# Altium PCB 24V-12V_5X4.PcbDoc (part 4 of 4)
Units mm, origin at the board's own origin, x right, y up, seen from the top; angles counter-clockwise.
Board outline 50.6 x 38 mm, 2 copper layers (Top Layer, Bottom Layer); 700 components, 0 nets, 2336 pads, 480 vias.
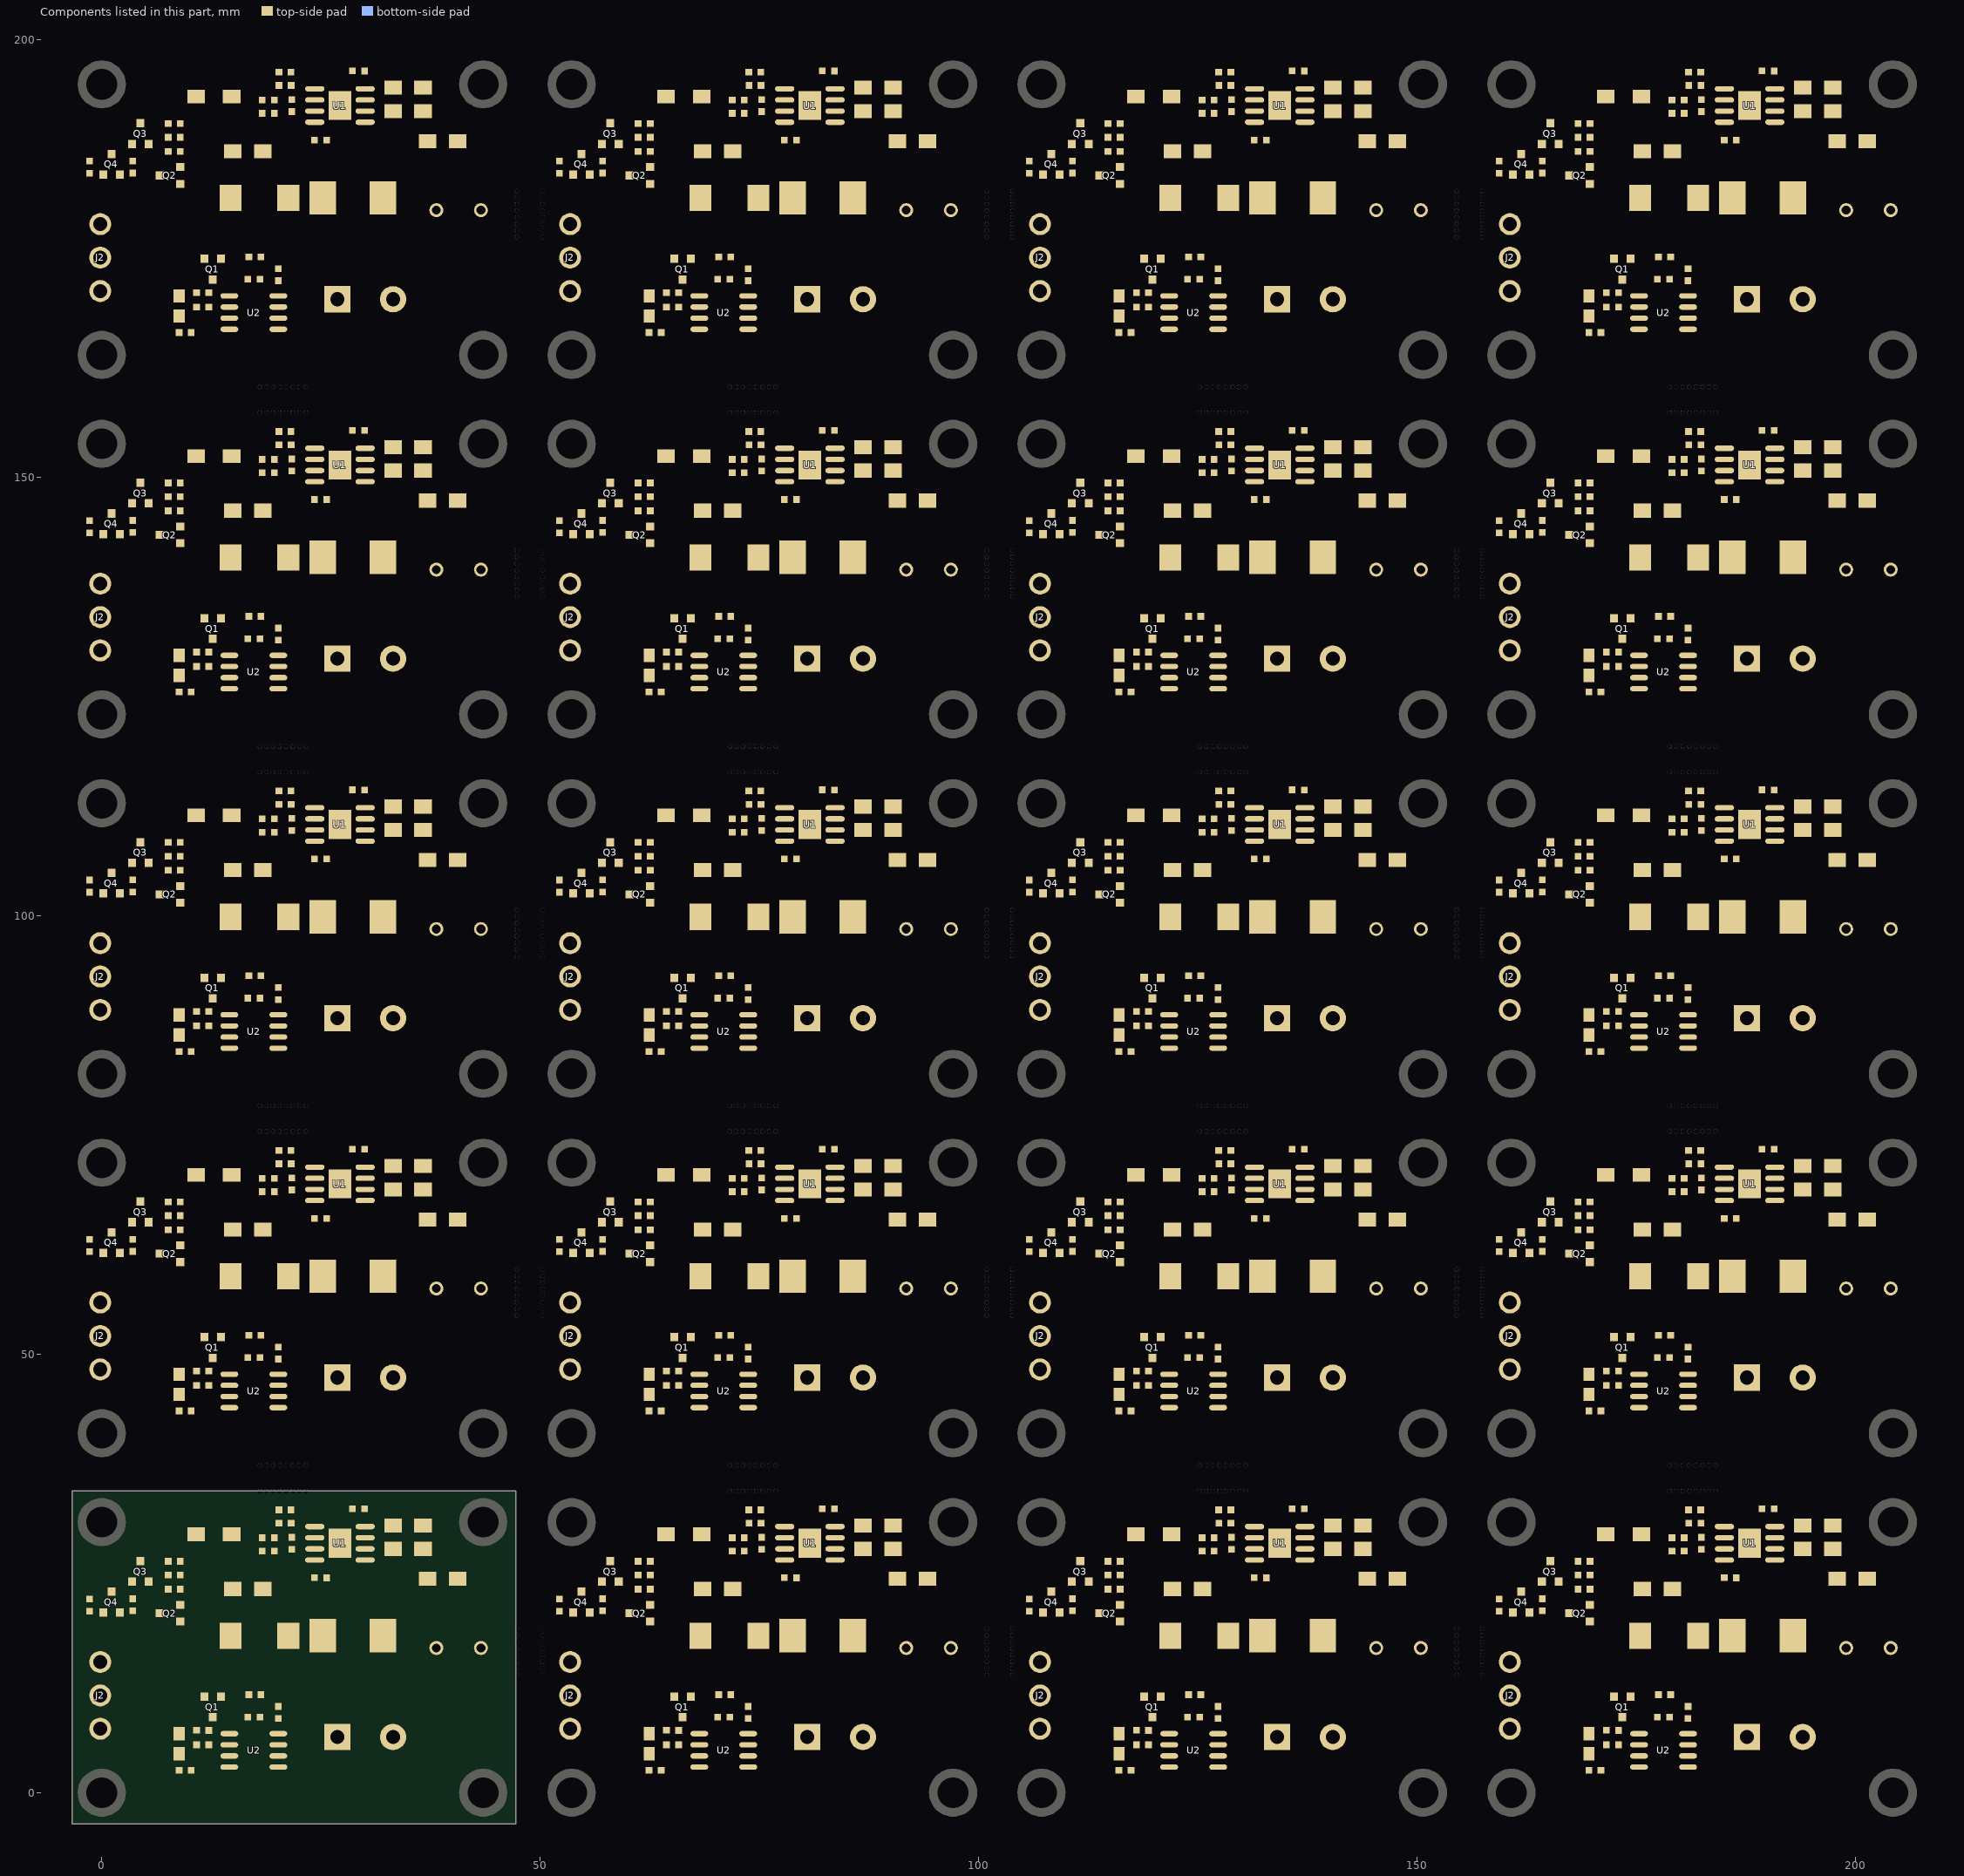
[diagram p4: the components of this part, seen from the top]

## Via types
v1: diameter 0.5, hole 0.3, Top Layer to Bottom Layer, tented both sides, 360 vias
v2: diameter 1.2, hole 1, Top Layer to Bottom Layer, tented both sides, 100 vias
v3: diameter 1.7, hole 1.5, Top Layer to Bottom Layer, tented both sides, 20 vias

## Nets (pads, with @x,y where several pads share a name; then routed paths per layer and width w, separated by ;. In a path a pad name is that pad's centre, name@x,y a point inside that pad or via, vN(x,y) a via of type N, cw(c..) or ccw(c..) an arc to the next point about the centre after c; other vN are vias at no path point) (continued)
copper on no net: (continued)
  other v1: 30.302,21.971 83.902,21.971 137.502,21.971 191.102,21.971 22.682,23.368 76.282,23.368 129.882,23.368 183.482,23.368 21.031,25.273 74.631,25.273 128.231,25.273 181.831,25.273 18.11,25.4 71.71,25.4 125.31,25.4 178.91,25.4 26.248,27.243 27.148,27.243 28.048,27.243 79.848,27.243 80.748,27.243 81.648,27.243 133.448,27.243 134.348,27.243 135.248,27.243 187.048,27.243 187.948,27.243 188.848,27.243 26.248,28.043 27.148,28.043 28.048,28.043 79.848,28.043 80.748,28.043 81.648,28.043 133.448,28.043 134.348,28.043 135.248,28.043 187.048,28.043 187.948,28.043 188.848,28.043 26.248,28.843 27.148,28.843 28.048,28.843 79.848,28.843 80.748,28.843 81.648,28.843 133.448,28.843 134.348,28.843 135.248,28.843 187.048,28.843 187.948,28.843 188.848,28.843 26.248,29.643 27.148,29.643 28.048,29.643 79.848,29.643 80.748,29.643 81.648,29.643 133.448,29.643 134.348,29.643 135.248,29.643 187.048,29.643 187.948,29.643 188.848,29.643 30.302,62.971 83.902,62.971 137.502,62.971 191.102,62.971 22.682,64.368 76.282,64.368 129.882,64.368 183.482,64.368 21.031,66.273 74.631,66.273 128.231,66.273 181.831,66.273 18.11,66.4 71.71,66.4 125.31,66.4 178.91,66.4 26.248,68.243 27.148,68.243 28.048,68.243 79.848,68.243 80.748,68.243 81.648,68.243 133.448,68.243 134.348,68.243 135.248,68.243 187.048,68.243 187.948,68.243 188.848,68.243 26.248,69.043 27.148,69.043 28.048,69.043 79.848,69.043 80.748,69.043 81.648,69.043 133.448,69.043 134.348,69.043 135.248,69.043 187.048,69.043 187.948,69.043 188.848,69.043 26.248,69.843 27.148,69.843 28.048,69.843 79.848,69.843 80.748,69.843 81.648,69.843 133.448,69.843 134.348,69.843 135.248,69.843 187.048,69.843 187.948,69.843 188.848,69.843 26.248,70.643 27.148,70.643 28.048,70.643 79.848,70.643 80.748,70.643 81.648,70.643 133.448,70.643 134.348,70.643 135.248,70.643 187.048,70.643 187.948,70.643 188.848,70.643 30.302,103.971 83.902,103.971 137.502,103.971 191.102,103.971 22.682,105.368 76.282,105.368 129.882,105.368 183.482,105.368 21.031,107.273 74.631,107.273 128.231,107.273 181.831,107.273 18.11,107.4 71.71,107.4 125.31,107.4 178.91,107.4 26.248,109.243 27.148,109.243 28.048,109.243 79.848,109.243 80.748,109.243 81.648,109.243 133.448,109.243 134.348,109.243 135.248,109.243 187.048,109.243 187.948,109.243 188.848,109.243 26.248,110.043 27.148,110.043 28.048,110.043 79.848,110.043 80.748,110.043 81.648,110.043 133.448,110.043 134.348,110.043 135.248,110.043 187.048,110.043 187.948,110.043 188.848,110.043 26.248,110.843 27.148,110.843 28.048,110.843 79.848,110.843 80.748,110.843 81.648,110.843 133.448,110.843 134.348,110.843 135.248,110.843 187.048,110.843 187.948,110.843 188.848,110.843 26.248,111.643 27.148,111.643 28.048,111.643 79.848,111.643 80.748,111.643 81.648,111.643 133.448,111.643 134.348,111.643 135.248,111.643 187.048,111.643 187.948,111.643 188.848,111.643 30.302,144.971 83.902,144.971 137.502,144.971 191.102,144.971 22.682,146.368 76.282,146.368 129.882,146.368 183.482,146.368 21.031,148.273 74.631,148.273 128.231,148.273 181.831,148.273 18.11,148.4 71.71,148.4 125.31,148.4 178.91,148.4 26.248,150.243 27.148,150.243 28.048,150.243 79.848,150.243 80.748,150.243 81.648,150.243 133.448,150.243 134.348,150.243 135.248,150.243 187.048,150.243 187.948,150.243 188.848,150.243 26.248,151.043 27.148,151.043 28.048,151.043 79.848,151.043 80.748,151.043 81.648,151.043 133.448,151.043 134.348,151.043 135.248,151.043 187.048,151.043 187.948,151.043 188.848,151.043 26.248,151.843 27.148,151.843 28.048,151.843 79.848,151.843 80.748,151.843 81.648,151.843 133.448,151.843 134.348,151.843 135.248,151.843 187.048,151.843 187.948,151.843 188.848,151.843 26.248,152.643 27.148,152.643 28.048,152.643 79.848,152.643 80.748,152.643 81.648,152.643 133.448,152.643 134.348,152.643 135.248,152.643 187.048,152.643 187.948,152.643 188.848,152.643 30.302,185.971 83.902,185.971 137.502,185.971 191.102,185.971 22.682,187.368 76.282,187.368 129.882,187.368 183.482,187.368 21.031,189.273 74.631,189.273 128.231,189.273 181.831,189.273 18.11,189.4 71.71,189.4 125.31,189.4 178.91,189.4 26.248,191.243 27.148,191.243 28.048,191.243 79.848,191.243 80.748,191.243 81.648,191.243 133.448,191.243 134.348,191.243 135.248,191.243 187.048,191.243 187.948,191.243 188.848,191.243 26.248,192.043 27.148,192.043 28.048,192.043 79.848,192.043 80.748,192.043 81.648,192.043 133.448,192.043 134.348,192.043 135.248,192.043 187.048,192.043 187.948,192.043 188.848,192.043 26.248,192.843 27.148,192.843 28.048,192.843 79.848,192.843 80.748,192.843 81.648,192.843 133.448,192.843 134.348,192.843 135.248,192.843 187.048,192.843 187.948,192.843 188.848,192.843 26.248,193.643 27.148,193.643 28.048,193.643 79.848,193.643 80.748,193.643 81.648,193.643 133.448,193.643 134.348,193.643 135.248,193.643 187.048,193.643 187.948,193.643 188.848,193.643

## Polygon pours and split planes (outlines as drawn)
no net on Top Layer "GND" (solid, remove dead copper, pour order 4): -3.353,34.417 47.247,34.417 47.247,-3.583 -3.353,-3.583
no net on Top Layer "GND" (solid, remove dead copper, pour order 4): 50.247,34.417 100.847,34.417 100.847,-3.583 50.247,-3.583
no net on Top Layer "GND" (solid, remove dead copper, pour order 4): 103.847,34.417 154.447,34.417 154.447,-3.583 103.847,-3.583
no net on Top Layer "GND" (solid, remove dead copper, pour order 4): 157.447,34.417 208.047,34.417 208.047,-3.583 157.447,-3.583
no net on Top Layer "GND" (solid, remove dead copper, pour order 4): -3.353,75.417 47.247,75.417 47.247,37.417 -3.353,37.417
no net on Top Layer "GND" (solid, remove dead copper, pour order 4): 50.247,75.417 100.847,75.417 100.847,37.417 50.247,37.417
no net on Top Layer "GND" (solid, remove dead copper, pour order 4): 103.847,75.417 154.447,75.417 154.447,37.417 103.847,37.417
no net on Top Layer "GND" (solid, remove dead copper, pour order 4): 157.447,75.417 208.047,75.417 208.047,37.417 157.447,37.417
no net on Top Layer "GND" (solid, remove dead copper, pour order 4): -3.353,116.417 47.247,116.417 47.247,78.417 -3.353,78.417
no net on Top Layer "GND" (solid, remove dead copper, pour order 4): 50.247,116.417 100.847,116.417 100.847,78.417 50.247,78.417
no net on Top Layer "GND" (solid, remove dead copper, pour order 4): 103.847,116.417 154.447,116.417 154.447,78.417 103.847,78.417
no net on Top Layer "GND" (solid, remove dead copper, pour order 4): 157.447,116.417 208.047,116.417 208.047,78.417 157.447,78.417
no net on Top Layer "GND" (solid, remove dead copper, pour order 4): -3.353,157.417 47.247,157.417 47.247,119.417 -3.353,119.417
no net on Top Layer "GND" (solid, remove dead copper, pour order 4): 50.247,157.417 100.847,157.417 100.847,119.417 50.247,119.417
no net on Top Layer "GND" (solid, remove dead copper, pour order 4): 103.847,157.417 154.447,157.417 154.447,119.417 103.847,119.417
no net on Top Layer "GND" (solid, remove dead copper, pour order 4): 157.447,157.417 208.047,157.417 208.047,119.417 157.447,119.417
no net on Top Layer "GND" (solid, remove dead copper, pour order 4): -3.353,198.417 47.247,198.417 47.247,160.417 -3.353,160.417
no net on Top Layer "GND" (solid, remove dead copper, pour order 4): 50.247,198.417 100.847,198.417 100.847,160.417 50.247,160.417
no net on Top Layer "GND" (solid, remove dead copper, pour order 4): 103.847,198.417 154.447,198.417 154.447,160.417 103.847,160.417
no net on Top Layer "GND" (solid, remove dead copper, pour order 4): 157.447,198.417 208.047,198.417 208.047,160.417 157.447,160.417
no net on Bottom Layer "GND" (solid, remove dead copper, pour order 3): -3.353,34.417 47.247,34.417 47.247,-3.583 -3.353,-3.583
no net on Bottom Layer "GND" (solid, remove dead copper, pour order 3): 50.247,34.417 100.847,34.417 100.847,-3.583 50.247,-3.583
no net on Bottom Layer "GND" (solid, remove dead copper, pour order 3): 103.847,34.417 154.447,34.417 154.447,-3.583 103.847,-3.583
no net on Bottom Layer "GND" (solid, remove dead copper, pour order 3): 157.447,34.417 208.047,34.417 208.047,-3.583 157.447,-3.583
no net on Bottom Layer "GND" (solid, remove dead copper, pour order 3): -3.353,75.417 47.247,75.417 47.247,37.417 -3.353,37.417
no net on Bottom Layer "GND" (solid, remove dead copper, pour order 3): 50.247,75.417 100.847,75.417 100.847,37.417 50.247,37.417
no net on Bottom Layer "GND" (solid, remove dead copper, pour order 3): 103.847,75.417 154.447,75.417 154.447,37.417 103.847,37.417
no net on Bottom Layer "GND" (solid, remove dead copper, pour order 3): 157.447,75.417 208.047,75.417 208.047,37.417 157.447,37.417
no net on Bottom Layer "GND" (solid, remove dead copper, pour order 3): -3.353,116.417 47.247,116.417 47.247,78.417 -3.353,78.417
no net on Bottom Layer "GND" (solid, remove dead copper, pour order 3): 50.247,116.417 100.847,116.417 100.847,78.417 50.247,78.417
no net on Bottom Layer "GND" (solid, remove dead copper, pour order 3): 103.847,116.417 154.447,116.417 154.447,78.417 103.847,78.417
no net on Bottom Layer "GND" (solid, remove dead copper, pour order 3): 157.447,116.417 208.047,116.417 208.047,78.417 157.447,78.417
no net on Bottom Layer "GND" (solid, remove dead copper, pour order 3): -3.353,157.417 47.247,157.417 47.247,119.417 -3.353,119.417
no net on Bottom Layer "GND" (solid, remove dead copper, pour order 3): 50.247,157.417 100.847,157.417 100.847,119.417 50.247,119.417
no net on Bottom Layer "GND" (solid, remove dead copper, pour order 3): 103.847,157.417 154.447,157.417 154.447,119.417 103.847,119.417
no net on Bottom Layer "GND" (solid, remove dead copper, pour order 3): 157.447,157.417 208.047,157.417 208.047,119.417 157.447,119.417
no net on Bottom Layer "GND" (solid, remove dead copper, pour order 3): -3.353,198.417 47.247,198.417 47.247,160.417 -3.353,160.417
no net on Bottom Layer "GND" (solid, remove dead copper, pour order 3): 50.247,198.417 100.847,198.417 100.847,160.417 50.247,160.417
no net on Bottom Layer "GND" (solid, remove dead copper, pour order 3): 103.847,198.417 154.447,198.417 154.447,160.417 103.847,160.417
no net on Bottom Layer "GND" (solid, remove dead copper, pour order 3): 157.447,198.417 208.047,198.417 208.047,160.417 157.447,160.417

## Keep-outs
Keep-Out Layer:
  lines w0.254: 17.696,34.421 17.696,37.421 ; 17.696,75.421 17.696,78.421 ; 17.696,116.421 17.696,119.421 ; 17.696,157.421 17.696,160.421 ; 23.665,34.421 23.665,37.421 ; 23.665,75.421 23.665,78.421 ; 23.665,116.421 23.665,119.421 ; 23.665,157.421 23.665,160.421 ; 47.267,13.099 50.267,13.099 ; 47.267,19.068 50.267,19.068 ; 47.267,54.099 50.267,54.099 ; 47.267,60.068 50.267,60.068 ; 47.267,95.099 50.267,95.099 ; 47.267,101.068 50.267,101.068 ; 47.267,136.099 50.267,136.099 ; 47.267,142.068 50.267,142.068 ; 47.267,177.099 50.267,177.099 ; 47.267,183.068 50.267,183.068 ; 71.296,34.421 71.296,37.421 ; 71.296,75.421 71.296,78.421 ; 71.296,116.421 71.296,119.421 ; 71.296,157.421 71.296,160.421 ; 77.265,34.421 77.265,37.421 ; 77.265,75.421 77.265,78.421 ; 77.265,116.421 77.265,119.421 ; 77.265,157.421 77.265,160.421 ; 100.867,13.099 103.867,13.099 ; 100.867,19.068 103.867,19.068 ; 100.867,54.099 103.867,54.099 ; 100.867,60.068 103.867,60.068 ; 100.867,95.099 103.867,95.099 ; 100.867,101.068 103.867,101.068 ; 100.867,136.099 103.867,136.099 ; 100.867,142.068 103.867,142.068 ; 100.867,177.099 103.867,177.099 ; 100.867,183.068 103.867,183.068 ; 124.896,34.421 124.896,37.421 ; 124.896,75.421 124.896,78.421 ; 124.896,116.421 124.896,119.421 ; 124.896,157.421 124.896,160.421 ; 130.865,34.421 130.865,37.421 ; 130.865,75.421 130.865,78.421 ; 130.865,116.421 130.865,119.421 ; 130.865,157.421 130.865,160.421 ; 154.467,13.099 157.467,13.099 ; 154.467,19.068 157.467,19.068 ; 154.467,54.099 157.467,54.099 ; 154.467,60.068 157.467,60.068 ; 154.467,95.099 157.467,95.099 ; 154.467,101.068 157.467,101.068 ; 154.467,136.099 157.467,136.099 ; 154.467,142.068 157.467,142.068 ; 154.467,177.099 157.467,177.099 ; 154.467,183.068 157.467,183.068 ; 178.496,34.421 178.496,37.421 ; 178.496,75.421 178.496,78.421 ; 178.496,116.421 178.496,119.421 ; 178.496,157.421 178.496,160.421 ; 184.465,34.421 184.465,37.421 ; 184.465,75.421 184.465,78.421 ; 184.465,116.421 184.465,119.421 ; 184.465,157.421 184.465,160.421 ; -3.353,-3.583 -3.353,34.417 47.247,34.417 47.247,-3.583 -3.353,-3.583 ; -3.353,37.417 -3.353,75.417 47.247,75.417 47.247,37.417 -3.353,37.417 ; -3.353,78.417 -3.353,116.417 47.247,116.417 47.247,78.417 -3.353,78.417 ; -3.353,119.417 -3.353,157.417 47.247,157.417 47.247,119.417 -3.353,119.417 ; -3.353,160.417 -3.353,198.417 47.247,198.417 47.247,160.417 -3.353,160.417 ; 50.247,-3.583 50.247,34.417 100.847,34.417 100.847,-3.583 50.247,-3.583 ; 50.247,37.417 50.247,75.417 100.847,75.417 100.847,37.417 50.247,37.417 ; 50.247,78.417 50.247,116.417 100.847,116.417 100.847,78.417 50.247,78.417 ; 50.247,119.417 50.247,157.417 100.847,157.417 100.847,119.417 50.247,119.417 ; 50.247,160.417 50.247,198.417 100.847,198.417 100.847,160.417 50.247,160.417 ; 103.847,-3.583 103.847,34.417 154.447,34.417 154.447,-3.583 103.847,-3.583 ; 103.847,37.417 103.847,75.417 154.447,75.417 154.447,37.417 103.847,37.417 ; 103.847,78.417 103.847,116.417 154.447,116.417 154.447,78.417 103.847,78.417 ; 103.847,119.417 103.847,157.417 154.447,157.417 154.447,119.417 103.847,119.417 ; 103.847,160.417 103.847,198.417 154.447,198.417 154.447,160.417 103.847,160.417 ; 157.447,-3.583 157.447,34.417 208.047,34.417 208.047,-3.583 157.447,-3.583 ; 157.447,37.417 157.447,75.417 208.047,75.417 208.047,37.417 157.447,37.417 ; 157.447,78.417 157.447,116.417 208.047,116.417 208.047,78.417 157.447,78.417 ; 157.447,119.417 157.447,157.417 208.047,157.417 208.047,119.417 157.447,119.417 ; 157.447,160.417 157.447,198.417 208.047,198.417 208.047,160.417 157.447,160.417

## Other copper
Top Layer:
  rectangle: 13.792,18.136 15.926,30.201
  rectangle: 8.865,22.784 14.3,25.146
  rectangle: 67.392,18.136 69.526,30.201
  rectangle: 62.465,22.784 67.9,25.146
  rectangle: 120.992,18.136 123.126,30.201
  rectangle: 116.065,22.784 121.5,25.146
  rectangle: 174.592,18.136 176.726,30.201
  rectangle: 169.665,22.784 175.1,25.146
  rectangle: 13.792,59.136 15.926,71.201
  rectangle: 8.865,63.784 14.3,66.146
  rectangle: 67.392,59.136 69.526,71.201
  rectangle: 62.465,63.784 67.9,66.146
  rectangle: 120.992,59.136 123.126,71.201
  rectangle: 116.065,63.784 121.5,66.146
  rectangle: 174.592,59.136 176.726,71.201
  rectangle: 169.665,63.784 175.1,66.146
  rectangle: 13.792,100.136 15.926,112.201
  rectangle: 8.865,104.784 14.3,107.146
  rectangle: 67.392,100.136 69.526,112.201
  rectangle: 62.465,104.784 67.9,107.146
  rectangle: 120.992,100.136 123.126,112.201
  rectangle: 116.065,104.784 121.5,107.146
  rectangle: 174.592,100.136 176.726,112.201
  rectangle: 169.665,104.784 175.1,107.146
  rectangle: 13.792,141.136 15.926,153.201
  rectangle: 8.865,145.784 14.3,148.146
  rectangle: 67.392,141.136 69.526,153.201
  rectangle: 62.465,145.784 67.9,148.146
  rectangle: 120.992,141.136 123.126,153.201
  rectangle: 116.065,145.784 121.5,148.146
  rectangle: 174.592,141.136 176.726,153.201
  rectangle: 169.665,145.784 175.1,148.146
  rectangle: 13.792,182.136 15.926,194.201
  rectangle: 8.865,186.784 14.3,189.146
  rectangle: 67.392,182.136 69.526,194.201
  rectangle: 62.465,186.784 67.9,189.146
  rectangle: 120.992,182.136 123.126,194.201
  rectangle: 116.065,186.784 121.5,189.146
  rectangle: 174.592,182.136 176.726,194.201
  rectangle: 169.665,186.784 175.1,189.146
  region: 13.771,3.966 13.259,3.454 9.703,3.454 9.296,3.861 9.296,4.064
  region: 20.206,31.775 20.206,32.766 16.358,32.766 13.792,30.201 15.926,30.201 17.501,31.775
  region: 67.371,3.966 66.859,3.454 63.303,3.454 62.896,3.861 62.896,4.064
  region: 73.806,31.775 73.806,32.766 69.958,32.766 67.392,30.201 69.526,30.201 71.101,31.775
  region: 120.971,3.966 120.459,3.454 116.903,3.454 116.496,3.861 116.496,4.064
  region: 127.406,31.775 127.406,32.766 123.558,32.766 120.992,30.201 123.126,30.201 124.701,31.775
  region: 174.571,3.966 174.059,3.454 170.503,3.454 170.096,3.861 170.096,4.064
  region: 181.006,31.775 181.006,32.766 177.158,32.766 174.592,30.201 176.726,30.201 178.301,31.775
  region: 13.771,44.966 13.259,44.454 9.703,44.454 9.296,44.861 9.296,45.064
  region: 20.206,72.775 20.206,73.766 16.358,73.766 13.792,71.201 15.926,71.201 17.501,72.775
  region: 67.371,44.966 66.859,44.454 63.303,44.454 62.896,44.861 62.896,45.064
  region: 73.806,72.775 73.806,73.766 69.958,73.766 67.392,71.201 69.526,71.201 71.101,72.775
  region: 120.971,44.966 120.459,44.454 116.903,44.454 116.496,44.861 116.496,45.064
  region: 127.406,72.775 127.406,73.766 123.558,73.766 120.992,71.201 123.126,71.201 124.701,72.775
  region: 174.571,44.966 174.059,44.454 170.503,44.454 170.096,44.861 170.096,45.064
  region: 181.006,72.775 181.006,73.766 177.158,73.766 174.592,71.201 176.726,71.201 178.301,72.775
  region: 13.771,85.966 13.259,85.454 9.703,85.454 9.296,85.861 9.296,86.064
  region: 20.206,113.775 20.206,114.766 16.358,114.766 13.792,112.201 15.926,112.201 17.501,113.775
  region: 67.371,85.966 66.859,85.454 63.303,85.454 62.896,85.861 62.896,86.064
  region: 73.806,113.775 73.806,114.766 69.958,114.766 67.392,112.201 69.526,112.201 71.101,113.775
  region: 120.971,85.966 120.459,85.454 116.903,85.454 116.496,85.861 116.496,86.064
  region: 127.406,113.775 127.406,114.766 123.558,114.766 120.992,112.201 123.126,112.201 124.701,113.775
  region: 174.571,85.966 174.059,85.454 170.503,85.454 170.096,85.861 170.096,86.064
  region: 181.006,113.775 181.006,114.766 177.158,114.766 174.592,112.201 176.726,112.201 178.301,113.775
  region: 13.771,126.966 13.259,126.454 9.703,126.454 9.296,126.861 9.296,127.064
  region: 20.206,154.775 20.206,155.766 16.358,155.766 13.792,153.201 15.926,153.201 17.501,154.775
  region: 67.371,126.966 66.859,126.454 63.303,126.454 62.896,126.861 62.896,127.064
  region: 73.806,154.775 73.806,155.766 69.958,155.766 67.392,153.201 69.526,153.201 71.101,154.775
  region: 120.971,126.966 120.459,126.454 116.903,126.454 116.496,126.861 116.496,127.064
  region: 127.406,154.775 127.406,155.766 123.558,155.766 120.992,153.201 123.126,153.201 124.701,154.775
  region: 174.571,126.966 174.059,126.454 170.503,126.454 170.096,126.861 170.096,127.064
  region: 181.006,154.775 181.006,155.766 177.158,155.766 174.592,153.201 176.726,153.201 178.301,154.775
  region: 13.771,167.966 13.259,167.454 9.703,167.454 9.296,167.861 9.296,168.064
  region: 20.206,195.775 20.206,196.766 16.358,196.766 13.792,194.201 15.926,194.201 17.501,195.775
  region: 67.371,167.966 66.859,167.454 63.303,167.454 62.896,167.861 62.896,168.064
  region: 73.806,195.775 73.806,196.766 69.958,196.766 67.392,194.201 69.526,194.201 71.101,195.775
  region: 120.971,167.966 120.459,167.454 116.903,167.454 116.496,167.861 116.496,168.064
  region: 127.406,195.775 127.406,196.766 123.558,196.766 120.992,194.201 123.126,194.201 124.701,195.775
  region: 174.571,167.966 174.059,167.454 170.503,167.454 170.096,167.861 170.096,168.064
  region: 181.006,195.775 181.006,196.766 177.158,196.766 174.592,194.201 176.726,194.201 178.301,195.775

## Silkscreen, mask and mechanical layers (free items; w line width, h text height)
Top Overlay:
  lines w0.254: 6.452,-2.642 20.229,-2.642 ; 6.452,38.358 20.229,38.358 ; 6.452,79.358 20.229,79.358 ; 6.452,120.358 20.229,120.358 ; 6.452,161.358 20.229,161.358 ; 60.052,-2.642 73.829,-2.642 ; 60.052,38.358 73.829,38.358 ; 60.052,79.358 73.829,79.358 ; 60.052,120.358 73.829,120.358 ; 60.052,161.358 73.829,161.358 ; 113.652,-2.642 127.429,-2.642 ; 113.652,38.358 127.429,38.358 ; 113.652,79.358 127.429,79.358 ; 113.652,120.358 127.429,120.358 ; 113.652,161.358 127.429,161.358 ; 167.252,-2.642 181.029,-2.642 ; 167.252,38.358 181.029,38.358 ; 167.252,79.358 181.029,79.358 ; 167.252,120.358 181.029,120.358 ; 167.252,161.358 181.029,161.358
  text "UN" at 4.623,180.688 h2 r270
  text "UN" at 58.223,180.688 h2 r270
  text "UN" at 111.823,180.688 h2 r270
  text "UN" at 165.423,180.688 h2 r270
  text "12V" at 4.674,176.751 h2 r270
  text "12V" at 58.274,176.751 h2 r270
  text "12V" at 111.874,176.751 h2 r270
  text "12V" at 165.474,176.751 h2 r270
  text "24V" at 24.841,175.532 h3
  text "24V" at 78.441,175.532 h3
  text "24V" at 132.041,175.532 h3
  text "24V" at 185.641,175.532 h3
  text "GND" at 30.785,175.481 h3
  text "GND" at 84.385,175.481 h3
  text "GND" at 137.985,175.481 h3
  text "GND" at 191.585,175.481 h3
  text "GND" at 4.724,172.687 h2 r270
  text "GND" at 58.324,172.687 h2 r270
  text "GND" at 111.924,172.687 h2 r270
  text "GND" at 165.524,172.687 h2 r270
  text "HM - 24V~12V" at 7.468,161.993 h2
  text "HM - 24V~12V" at 61.068,161.993 h2
  text "HM - 24V~12V" at 114.668,161.993 h2
  text "HM - 24V~12V" at 168.268,161.993 h2
  text "UN" at 4.623,139.688 h2 r270
  text "UN" at 58.223,139.688 h2 r270
  text "UN" at 111.823,139.688 h2 r270
  text "UN" at 165.423,139.688 h2 r270
  text "12V" at 4.674,135.751 h2 r270
  text "12V" at 58.274,135.751 h2 r270
  text "12V" at 111.874,135.751 h2 r270
  text "12V" at 165.474,135.751 h2 r270
  text "24V" at 24.841,134.532 h3
  text "24V" at 78.441,134.532 h3
  text "24V" at 132.041,134.532 h3
  text "24V" at 185.641,134.532 h3
  text "GND" at 30.785,134.481 h3
  text "GND" at 84.385,134.481 h3
  text "GND" at 137.985,134.481 h3
  text "GND" at 191.585,134.481 h3
  text "GND" at 4.724,131.687 h2 r270
  text "GND" at 58.324,131.687 h2 r270
  text "GND" at 111.924,131.687 h2 r270
  text "GND" at 165.524,131.687 h2 r270
  text "HM - 24V~12V" at 7.468,120.993 h2
  text "HM - 24V~12V" at 61.068,120.993 h2
  text "HM - 24V~12V" at 114.668,120.993 h2
  text "HM - 24V~12V" at 168.268,120.993 h2
  text "UN" at 4.623,98.688 h2 r270
  text "UN" at 58.223,98.688 h2 r270
  text "UN" at 111.823,98.688 h2 r270
  text "UN" at 165.423,98.688 h2 r270
  text "12V" at 4.674,94.751 h2 r270
  text "12V" at 58.274,94.751 h2 r270
  text "12V" at 111.874,94.751 h2 r270
  text "12V" at 165.474,94.751 h2 r270
  text "24V" at 24.841,93.532 h3
  text "24V" at 78.441,93.532 h3
  text "24V" at 132.041,93.532 h3
  text "24V" at 185.641,93.532 h3
  text "GND" at 30.785,93.481 h3
  text "GND" at 84.385,93.481 h3
  text "GND" at 137.985,93.481 h3
  text "GND" at 191.585,93.481 h3
  text "GND" at 4.724,90.687 h2 r270
  text "GND" at 58.324,90.687 h2 r270
  text "GND" at 111.924,90.687 h2 r270
  text "GND" at 165.524,90.687 h2 r270
  text "HM - 24V~12V" at 7.468,79.993 h2
  text "HM - 24V~12V" at 61.068,79.993 h2
  text "HM - 24V~12V" at 114.668,79.993 h2
  text "HM - 24V~12V" at 168.268,79.993 h2
  text "UN" at 4.623,57.688 h2 r270
  text "UN" at 58.223,57.688 h2 r270
  text "UN" at 111.823,57.688 h2 r270
  text "UN" at 165.423,57.688 h2 r270
  text "12V" at 4.674,53.751 h2 r270
  text "12V" at 58.274,53.751 h2 r270
  text "12V" at 111.874,53.751 h2 r270
  text "12V" at 165.474,53.751 h2 r270
  text "24V" at 24.841,52.532 h3
  text "24V" at 78.441,52.532 h3
  text "24V" at 132.041,52.532 h3
  text "24V" at 185.641,52.532 h3
  text "GND" at 30.785,52.481 h3
  text "GND" at 84.385,52.481 h3
  text "GND" at 137.985,52.481 h3
  text "GND" at 191.585,52.481 h3
  text "GND" at 4.724,49.687 h2 r270
  text "GND" at 58.324,49.687 h2 r270
  text "GND" at 111.924,49.687 h2 r270
  text "GND" at 165.524,49.687 h2 r270
  text "HM - 24V~12V" at 7.468,38.993 h2
  text "HM - 24V~12V" at 61.068,38.993 h2
  text "HM - 24V~12V" at 114.668,38.993 h2
  text "HM - 24V~12V" at 168.268,38.993 h2
  text "UN" at 4.623,16.688 h2 r270
  text "UN" at 58.223,16.688 h2 r270
  text "UN" at 111.823,16.688 h2 r270
  text "UN" at 165.423,16.688 h2 r270
  text "12V" at 4.674,12.751 h2 r270
  text "12V" at 58.274,12.751 h2 r270
  text "12V" at 111.874,12.751 h2 r270
  text "12V" at 165.474,12.751 h2 r270
  text "24V" at 24.841,11.532 h3
  text "24V" at 78.441,11.532 h3
  text "24V" at 132.041,11.532 h3
  text "24V" at 185.641,11.532 h3
  text "GND" at 30.785,11.481 h3
  text "GND" at 84.385,11.481 h3
  text "GND" at 137.985,11.481 h3
  text "GND" at 191.585,11.481 h3
  text "GND" at 4.724,8.687 h2 r270
  text "GND" at 58.324,8.687 h2 r270
  text "GND" at 111.924,8.687 h2 r270
  text "GND" at 165.524,8.687 h2 r270
  text "HM - 24V~12V" at 7.468,-2.007 h2
  text "HM - 24V~12V" at 61.068,-2.007 h2
  text "HM - 24V~12V" at 114.668,-2.007 h2
  text "HM - 24V~12V" at 168.268,-2.007 h2